# Altium PCB Main.PcbDoc (part 3 of 3)
Units mm, origin at the board's own origin, x right, y up, seen from the top; angles counter-clockwise.
Board outline 75 x 150 mm, 4 copper layers (SIG1, GND1, GND2, SIG2), stack 1.602 mm thick; 218 components, 159 nets, 788 pads, 864 vias.
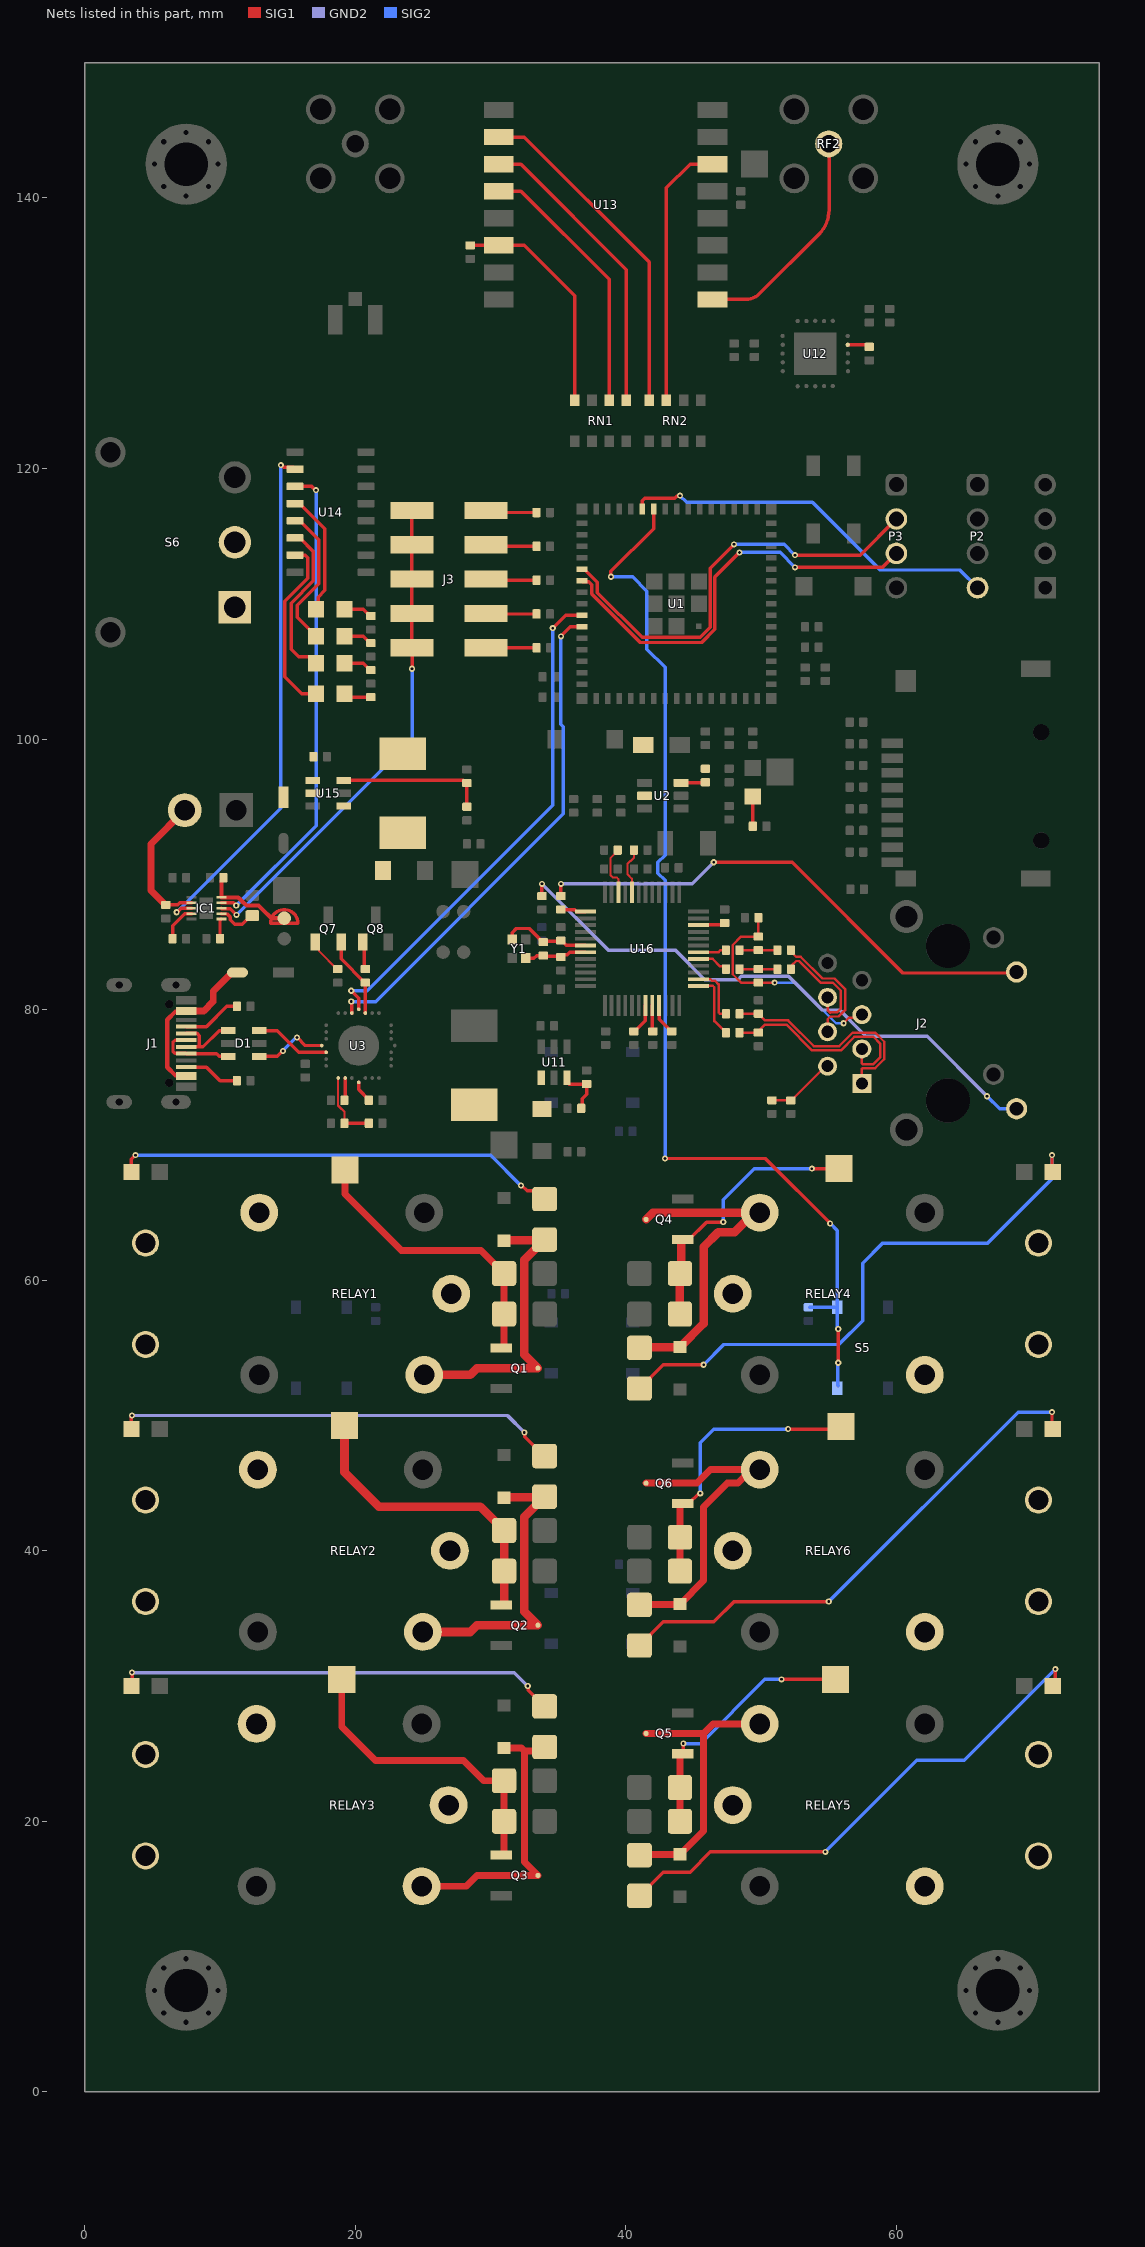
[diagram p5: the nets of this part, all layers, seen from the top]

## Via types
v1: diameter 0.6, hole 0.3, SIG1 to SIG2, 457 vias
v2: diameter 0.5, hole 0.25, SIG1 to SIG2, 260 vias
v3: diameter 0.45, hole 0.2, SIG1 to SIG2, 147 vias

## Nets (pads, with @x,y where several pads share a name; then routed paths per layer and width w, separated by ;. In a path a pad name is that pad's centre, name@x,y a point inside that pad or via, vN(x,y) a via of type N, cw(c..) or ccw(c..) an arc to the next point about the centre after c; other vN are vias at no path point) (continued)
GPIO21: R48.1 S5.C1 S5.D1 U1.25 | length 80.8
  SIG1 w0.254: v3(38.9,112) 38.9,112.4 42.05,115.55 U1.25@42.05,117 ; v3(42.9,69) 50.3,69 v3(55.1,64.2) ; v3(55.7,53.9) v3(55.7,56.4)
  SIG2 w0.254: v3(38.9,112) 40.5,112 41.556,110.944 41.556,106.644 42.9,105.3 42.9,91.43 42.371,90.901 42.371,90.099 42.9,89.57 v3(42.9,69) ; R48.1@53.6,58 S5.D1@55.625,58 ; v3(55.1,64.2) 55.625,63.675 S5.D1@55.625,58 ; S5.C1@55.7,52.2 55.662,52.238 55.662,53.862 v3(55.7,53.9) ; v3(55.7,56.4) 55.625,56.475 S5.D1@55.625,58
GPIO26: P2.4 U1.26 | length 28.4
  SIG1 w0.254: U1.26@41.2,117 41.215,117.015 41.215,117.615 41.4,117.8 43.6,117.8 43.762,117.962 43.962,117.962 v3(44,118)
  SIG2 w0.254: v3(44,118) 44.5,117.5 53.8,117.5 58.8,112.5 64.69,112.5 P2.4@66,111.19
GPIO39: P3.2 U1.35 | length 32.4
  SIG1 w0.254: U1.35@36.965,112.535 37.9,111.6 37.9,110.822 41.201,107.521 45.495,107.521 46.229,108.255 46.229,112.629 v3(48,114.4) ; v3(52.5,113.6) 57.33,113.6 P3.2@60,116.27
  SIG2 w0.254: v3(48,114.4) 51.7,114.4 v3(52.5,113.6)
GPIO40: P3.3 U1.36 | length 31.4
  SIG1 w0.254: U1.36@36.75,111.7 36.823,111.627 37.273,111.627 37.49,111.41 37.49,110.729 41.075,107.144 45.621,107.144 46.585,108.108 46.585,111.985 v3(48.4,113.8) ; v3(52.5,112.7) 58.97,112.7 P3.3@60,113.73
  SIG2 w0.254: v3(48.4,113.8) 51.4,113.8 v3(52.5,112.7)
IRQ_B: RN2.7 U13.14 | length 19.8
  SIG1 w0.254: RN2.7@43,125.05 43,140.75 44.75,142.5 U13.14@46.4,142.5
ISET: IC1.8 J3.1 J3.3 J3.5 J3.7 J3.9 | length 36.6
  SIG1 w0.254: IC1.8@10.1,87.5 10.127,87.473 10.752,87.473 11.212,87.013 v3(11.226,87.013) ; J3.1@24.19,116.91 J3.3@24.19,114.37 J3.5@24.19,111.83 J3.7@24.19,109.29 J3.9@24.19,106.75 24.2,106.74 v3(24.2,105.2)
  SIG2 w0.254: v3(11.226,87.013) 11.226,87.026 24.2,100 v3(24.2,105.2)
LINKLED: R73.2 U16.25 | length 1.9
  SIG1 w0.254: R73.2@35.2,87.4 36.23,87.4 36.38,87.25 U16.25@37.02,87.25
MISO_B: RN2.8 U13.2 | length 25.2
  SIG1 w0.254: U13.2@30.6,144.5 32.5,144.5 41.73,135.27 RN2.8@41.73,125.05
MOSI_B: RN1.5 U13.3 | length 22.3
  SIG1 w0.254: U13.3@30.6,142.5 32.25,142.5 40.04,134.71 RN1.5@40.04,125.05
NetC2_1: C2.1 L1.1 U2.2
NetC2_2: C2.2 U2.6 | length 1.8
  SIG1 w0.254: U2.6@44.084,96.763 44.109,96.788 45.859,96.788 C2.2@45.884,96.813
NetC17_1: C17.1 U12.14 | length 1.7
  SIG1 w0.254: U12.14@56.4,129.15 56.412,129.138 57.862,129.138 C17.1@58,129
NetC20_2: C20.2 IC1.10 SB1.2 | length 6.8
  SIG1 w0.305: C20.2@10.25,89.75 10.25,89.7 10.1,89.55 IC1.10@10.1,88.3 11.349,88.3 11.646,88.004 ; 11.646,88.003 11.949,87.7 12.851,87.7 13.154,87.397 ; 13.154,87.396 13.789,86.762 13.808,86.762 SB1.2@14.75,86.762
NetC21_1: C21.1 IC1.2 U10.2 | length 10.5
  SIG1 w0.254: C21.1@6,87.75 6.876,87.75 7.026,87.9 IC1.2@7.9,87.9
  SIG1 w0.508: C21.1@6,87.75 5.954,87.796 5.904,87.796 4.9,88.8 4.9,92.255 U10.2@7.395,94.75
NetC25_2: C25.2 L2.1 S6.2 U15.4 U15.5
NetC36_2: C36.2 J2.2 R64.1 | length 5.1
  SIG1 w0.179: C36.2@50.8,73.3 R64.1@52.2,73.3 ; R64.1@52.25,73.3 54.775,75.825 J2.2@54.91,75.825
NetC41_2: C41.2 U16.22 | length 3.7
  SIG1 w0.152: C41.2@39.4,91.8 39.4,91.75 38.878,91.228 38.878,89.922 39.025,89.775 39.325,89.775 39.45,89.65 U16.22@39.45,88.68
NetC42_2: C42.2 U16.20 | length 3.4
  SIG1 w0.152: U16.20@40.45,88.68 40.45,89.692 40.122,90.02 40.122,90.78 40.343,91.001 40.379,91.001 40.6,91.221 C42.2@40.6,91.7
NetC43_2: C43.2 J2.5 R70.1 R71.1 | length 17
  SIG1 w0.179: C43.2@49.8,86.8 R71.1@49.8,85.4 48.523,85.4 47.9,84.777 47.9,82.623 48.523,82 R70.1@49.8,82 v3(51,82) ; v3(56.1,79) 56.501,79.401 57.216,79.401 J2.5@57.45,79.635
  SIG2 w0.179: v3(51,82) 52.536,82 55.536,79 v3(56.1,79)
NetD2_2: D2.2 J1.A4B9 J1.B4A9 | length 12.3
  SIG1 w0.305: J1.B4A9@7.5,75.1 7.478,75.122 6.722,75.122 6.1,75.743 6.1,79.257 6.722,79.878 7.478,79.878 J1.A4B9@7.5,79.9
  SIG1 w0.508: J1.A4B9@7.5,79.9 8.8,79.9 9.5,80.6 9.5,81.358 10.816,82.673 11.223,82.673 D2.2@11.3,82.75
NetD3_1: D3.1 S6.1
NetD5_1: D5.1 U14.6 | length 11.9
  SIG1 w0.254: U14.6@15.55,114.87 15.9,114.87 16.9,113.87 16.9,111.7 15.256,110.056 15.256,106.644 15.827,106.073 16.627,106.073 D5.1@17.1,105.6
NetD5_2: D5.2 R56.2 | length 2.2
  SIG1 w0.254: D5.2@19.2,105.6 20.6,105.6 21.1,105.1 R56.2@21.15,105.1
NetD6_2: D6.2 L2.2 U15.1
NetD9_2: D9.2 L3.2 U11.1
NetDS1_2: DS1.2 R8.2 | length 2.2
  SIG1 w0.254: R8.2@49.384,93.563 DS1.2@49.384,95.763
NetDS2_2: DS2.2 R1.1 | length 33
  SIG1 w0.254: DS2.2@3.45,68 3.45,68.95 v3(3.75,69.25) ; v3(32.25,67) 32.303,67 32.699,66.604 33.396,66.604 R1.1@34,66
  SIG2 w0.254: v3(3.75,69.25) 30,69.25 v3(32.25,67)
NetDS3_2: DS3.2 R13.1 | length 32.9
  SIG1 w0.254: DS3.2@3.45,49 3.45,49.95 v3(3.5,50) ; v3(32.5,48.75) 32.538,48.712 32.538,48.442 33.98,47 R13.1@34,47
  GND2 w0.254: v3(3.5,50) 31.25,50 v3(32.5,48.75)
NetDS4_2: DS4.2 R14.1 | length 32.7
  SIG1 w0.254: DS4.2@3.45,30 3.5,30.05 v3(3.5,31) ; v3(32.75,30) 32.788,29.962 32.788,29.692 33.98,28.5 R14.1@34,28.5
  GND2 w0.254: v3(3.5,31) 31.75,31 v3(32.75,30)
NetDS5_2: DS5.2 R21.1 | length 42.4
  SIG1 w0.254: R21.1@41,52 41.02,52 42.77,53.75 v3(45.75,53.75) ; v3(71.5,69.25) 71.5,68.05 DS5.2@71.55,68
  SIG2 w0.254: v3(45.75,53.75) 47.25,55.25 55.75,55.25 57.5,57 57.5,61.25 59,62.75 66.75,62.75 71.5,67.5 v3(71.5,69.25)
NetDS6_2: DS6.2 R22.1 | length 39
  SIG1 w0.254: R22.1@41,14.5 41.02,14.5 42.77,16.25 44.75,16.25 46.25,17.75 v3(54.75,17.75) ; DS6.2@71.55,30 71.75,30.2 v3(71.75,31.25)
  SIG2 w0.254: v3(54.75,17.75) 61.519,24.519 65.019,24.519 v3(71.75,31.25)
NetDS7_2: DS7.2 R23.1 | length 38.9
  SIG1 w0.254: R23.1@41,33 41.02,33 42.77,34.75 46.5,34.75 48,36.25 v3(55,36.25) ; v3(71.5,50.25) 71.5,49.05 DS7.2@71.55,49
  SIG2 w0.254: v3(55,36.25) 69,50.25 v3(71.5,50.25)
NetDS8_1: DS8.1 R54.2 | length 2.2
  SIG1 w0.254: DS8.1@19.2,109.6 20.6,109.6 21.1,109.1 R54.2@21.15,109.1
NetDS8_2: DS8.2 U14.4 | length 9.2
  SIG1 w0.254: U14.4@15.55,117.41 15.9,117.41 17.75,115.56 17.75,111 17.25,110.5 17.25,109.75 DS8.2@17.1,109.6
NetDS9_1: DS9.1 R55.2 | length 2.2
  SIG1 w0.254: DS9.1@19.2,107.6 20.6,107.6 21.1,107.1 R55.2@21.15,107.1
NetDS9_2: DS9.2 U14.5 | length 10.7
  SIG1 w0.254: U14.5@15.55,116.14 15.9,116.14 17.3,114.74 17.3,111.5 15.7,109.9 15.7,109 DS9.2@17.1,107.6
NetDS10_1: DS10.1 U14.7 | length 13.4
  SIG1 w0.254: U14.7@15.55,113.6 16.3,113.6 16.5,113.4 16.5,111.9 14.8,110.2 14.8,104.6 16.05,103.35 DS10.1@17.1,103.35
NetDS10_2: DS10.2 R57.2 | length 2.1
  SIG1 w0.254: DS10.2@19.2,103.35 19.45,103.1 R57.2@21.15,103.1
NetIC1_4: IC1.4 R41.2 | length 2.7
  SIG1 w0.254: R41.2@6.5,85.25 6.5,86.2 7.4,87.1 IC1.4@7.9,87.1
NetIC1_6: IC1.6 R42.2 | length 1.5
  SIG1 w0.254: R42.2@10,85.25 10,86.673 10.027,86.7 IC1.6@10.1,86.7
NetIC1_7: IC1.7 R43.2 | length 3
  SIG1 w0.254: IC1.7@10.1,87.1 10.127,87.073 10.526,87.073 10.749,86.85 10.749,86.651 11.1,86.3 11.65,86.3 12.3,86.95 R43.2@12.4,86.95
NetJ1_A5: J1.A5 R3.1 | length 4.4
  SIG1 w0.254: J1.A5@7.5,78.75 9,78.75 10.5,80.25 R3.1@11.25,80.25
NetJ1_B5: J1.B5 R2.1 | length 4.2
  SIG1 w0.254: J1.B5@7.5,75.75 9,75.75 10,74.75 R2.1@11.25,74.75
NetJ2_9: J2.9 R72.1 | length 43
  SIG1 w0.254: R72.1@33.8,88.4 v3(33.8,89.3)
  GND2 w0.254: v3(33.8,89.3) 38.723,84.377 43.685,84.377 45.835,82.227 48.295,82.227 48.545,82.477 52.024,82.477 54.525,79.976 55.799,79.976 56.577,79.198 56.577,79.194 57.747,78.024 62.276,78.024 v3(66.7,73.6)
  SIG2 w0.254: v3(66.7,73.6) 67.625,72.675 68.525,72.675 J2.9@68.7,72.5
NetJ2_11: J2.11 R73.1 | length 38.6
  SIG1 w0.254: R73.1@35.2,88.5 v3(35.2,89.3) ; v3(46.5,90.9) 52.293,90.9 60.48,82.713 68.808,82.713 J2.11@68.88,82.785
  GND2 w0.254: v3(35.2,89.3) 40.938,89.3 40.947,89.291 41.342,89.291 41.351,89.3 44.9,89.3 v3(46.5,90.9)
NetJ3_2: J3.2 R49.1 | length 3.8
  SIG1 w0.254: J3.2@29.65,116.91 29.81,116.75 R49.1@33.4,116.75
NetJ3_4: J3.4 R50.1 | length 3.8
  SIG1 w0.254: J3.4@29.65,114.37 29.77,114.25 R50.1@33.4,114.25
NetJ3_6: J3.6 R51.1 | length 3.8
  SIG1 w0.254: J3.6@29.65,111.83 29.73,111.75 R51.1@33.4,111.75
NetJ3_8: J3.8 R52.1 | length 3.8
  SIG1 w0.254: J3.8@29.65,109.29 29.69,109.25 R52.1@33.4,109.25
NetJ3_10: J3.10 R53.1 | length 3.7
  SIG1 w0.254: J3.10@29.65,106.75 R53.1@33.4,106.75
NetQ1_1: Q1.1 R12.1 R15.2 TP12.1 | length 21.7
  SIG1 w0.508: TP12.1@19.228,68.148 19.228,66.372 23.4,62.2 29.3,62.2 30.334,61.166 30.354,61.166 31,60.52 R12.1@31,60.5 R15.2@31,57.5 31,55.082 30.918,55 Q1.1@30.788,55
NetQ1_2: Q1.2 R1.2 RELAY1.4 Z1.2 | length 22.2
  SIG1 w0.635: RELAY1.4@25.1,53 28.5,53 29,53.5 Q1.2@33.5,53.5 32.5,54.5 32.5,61.52 33.98,63 R1.2@34,63 33.963,62.963 31.037,62.963 Z1.2@31,62.925
NetQ2_1: Q2.1 R17.1 R19.2 TP14.1 | length 22.7
  SIG1 w0.635: TP14.1@19.201,49.251 19.201,45.799 21.75,43.25 29.25,43.25 30.398,42.103 30.418,42.103 31,41.52 R17.1@31,41.5 R19.2@31,38.5 31,36.018 30.981,36 Q2.1@30.788,36
NetQ2_2: Q2.2 R13.2 RELAY2.4 Z2.2 | length 22.3
  SIG1 w0.635: RELAY2.4@25,34 28.5,34 29,34.5 Q2.2@33.5,34.5 32.5,35.5 32.5,42.52 33.98,44 R13.2@34,44 33.963,43.963 31.037,43.963 Z2.2@31,43.925
NetQ3_1: Q3.1 R18.1 R20.2 TP15.1 | length 22.8
  SIG1 w0.508: TP15.1@19,30.5 19,27 21.5,24.5 28,24.5 29.5,23 R18.1@31,23 R20.2@31,20 31,17.582 30.918,17.5 Q3.1@30.788,17.5
NetQ3_2: Q3.2 R14.2 RELAY3.4 Z3.2 | length 21.8
  SIG1 w0.508: RELAY3.4@24.9,15.2 28.2,15.2 29,16 Q3.2@33.5,16 32.5,17 32.5,25.202 ; Z3.2@31,25.425 32.277,25.425 32.5,25.202 ; R14.2@34,25.5 33.702,25.202 32.5,25.202
NetQ4_1: Q4.1 R24.1 R27.2 TP16.1 | length 20.3
  SIG1 w0.254: Q4.1@44.212,63 44.664,63 45.964,64.3 v3(47.2,64.3) ; v3(53.75,68.25) TP16.1@55.75,68.25
  SIG1 w0.635: R24.1@44,57.5 R27.2@44,60.5 44.106,60.606 44.106,62.982 44.125,63 Q4.1@44.212,63
  SIG2 w0.254: v3(47.2,64.3) 47.2,65.95 49.5,68.25 v3(53.75,68.25)
NetQ4_2: Q4.2 R21.2 RELAY4.4 Z4.2 | length 24.6
  SIG1 w0.635: R21.2@41,55 41.037,55.037 43.963,55.037 Z4.2@44,55.075 44.025,55.075 45.75,56.8 45.75,62.467 46.826,63.543 48.034,63.543 RELAY4.4@49.49,65 ; Q4.2@41.5,64.5 42,65 RELAY4.4@49.49,65 ; RELAY4.4@49.9,65 RELAY4.4@49.49,65
NetQ5_1: Q5.1 R25.1 R28.2 TP17.1 | length 19.1
  SIG1 w0.254: Q5.1@44.212,25 44.25,25.038 v3(44.25,25.75) ; v3(51.5,30.5) TP17.1@55.5,30.5
  SIG1 w0.508: R25.1@44,20 R28.2@44,22.5 44,24.918 44.082,25 Q5.1@44.212,25
  SIG2 w0.254: v3(44.25,25.75) 45.527,25.75 50.277,30.5 v3(51.5,30.5)
NetQ5_2: Q5.2 R22.2 RELAY5.4 Z5.2 | length 21.4
  SIG1 w0.508: R22.2@41,17.5 41.037,17.538 43.963,17.538 Z5.2@44,17.575 44.025,17.575 45.75,19.3 45.75,26.5 ; Q5.2@41.5,26.5 45.75,26.5 ; RELAY5.4@49.9,27.2 46.45,27.2 45.75,26.5
NetQ6_1: Q6.1 R26.1 R29.2 TP18.1 | length 21.4
  SIG1 w0.254: Q6.1@44.212,43.5 44.664,43.5 45.376,44.212 45.462,44.212 v3(45.5,44.25) ; v3(52,49) 55.7,49 TP18.1@55.9,49.2
  SIG1 w0.508: R26.1@44,38.5 R29.2@44,41 44,43.418 44.082,43.5 Q6.1@44.212,43.5
  SIG2 w0.254: v3(45.5,44.25) 45.5,48 46.5,49 v3(52,49)
NetQ6_2: Q6.2 R23.2 RELAY6.4 Z6.2 | length 25
  SIG1 w0.508: R23.2@41,36 41.037,36.037 43.963,36.037 Z6.2@44,36.075 44.025,36.075 45.75,37.8 45.75,43.25 47.5,45 48.281,45 49.281,46 RELAY6.4@49.9,46 46.25,46 45.25,45 Q6.2@41.5,45
NetQ7_1: Q7.1 R9.1 | length 2.7
  SIG1 w0.152: Q7.1@17.05,85 17.324,84.726 17.324,84.326 18.65,83 R9.1@18.7,83
NetQ8_1: Q8.1 R31.1 | length 2.1
  SIG1 w0.254: Q8.1@20.55,85 20.65,84.9 20.65,83.1 R31.1@20.75,83
NetR4_2: R4.2 U3.9 | length 1.7
  SIG1 w0.254: R4.2@19.2,73.3 19.247,73.347 19.247,74.947 U3.9@19.25,74.95
NetR5_2: R5.2 U3.11 | length 1.6
  SIG1 w0.254: U3.11@20.25,74.625 20.25,74.1 21,73.35 R5.2@21,73.3
NetR11_1: R11.1 R30.2 U11.3 | length 3.8
  SIG1 w0.254: U11.3@35.65,74.951 35.65,74.681 35.831,74.5 R30.2@37.1,74.5 37.1,73.739 36.792,73.431 36.792,72.792 R11.1@36.7,72.7
NetR58_1: R58.1 R59.2 U15.3 | length 10.9
  SIG1 w0.254: U15.3@19.149,96.95 28,96.95 28.2,96.75 R59.2@28.25,96.75 R58.1@28.25,95
NetR66_1: R66.1 U16.43 | length 2.3
  SIG1 w0.254: R66.1@40.6,78.4 40.65,78.4 41.437,79.187 41.437,80.307 U16.43@41.45,80.32
NetR67_1: R67.1 U16.44 | length 1.9
  SIG1 w0.254: U16.44@41.95,80.32 41.963,80.307 41.963,78.437 R67.1@42,78.4
NetR68_1: R68.1 U16.45 | length 2.3
  SIG1 w0.254: U16.45@42.45,80.32 42.463,80.307 42.463,79.287 43.35,78.4 R68.1@43.4,78.4
NetR69_2: R69.2 U16.10 | length 2
  SIG1 w0.254: U16.10@45.38,86.25 45.393,86.263 47.163,86.263 R69.2@47.3,86.4
NetRELAY1_2: RELAY1.2 U4.1
NetRELAY1_5: RELAY1.5 U4.2
NetRELAY2_2: RELAY2.2 U5.1
NetRELAY2_5: RELAY2.5 U5.2
NetRELAY3_2: RELAY3.2 U6.1
NetRELAY3_5: RELAY3.5 U6.2
NetRELAY4_2: RELAY4.2 U7.1
NetRELAY4_5: RELAY4.5 U7.2
NetRELAY5_2: RELAY5.2 U8.1
NetRELAY5_5: RELAY5.5 U8.2
NetRELAY6_2: RELAY6.2 U9.1
NetRELAY6_5: RELAY6.5 U9.2
NRESET_B: R16.2 RN1.8 U13.6 | length 17
  SIG1 w0.254: R16.2@28.5,136.5 U13.6@30.6,136.5 32.5,136.5 36.23,132.77 RN1.8@36.23,125.05
RTS: Q7.2 R31.2 U3.24 | length 6
  SIG1 w0.254: Q7.2@18.95,85 18.95,83.75 20.7,82 R31.2@20.75,82 U3.24@20.75,79.75
RX2_D_N: R76.1 U16.5 | length 2.3
  SIG1 w0.179: U16.5@45.38,83.75 46.425,83.75 46.974,83.201 47.199,83.201 R76.1@47.4,83
RX2_D_P: R77.1 U16.6 | length 2.1
  SIG1 w0.179: U16.6@45.38,84.25 46.86,84.25 47.01,84.4 R77.1@47.4,84.4
RX3_D_N: C40.1 J2.6 | length 8.4
  SIG1 w0.179: C40.1@52.2,83 52.29,83.09 52.29,83.29 52.6,83.6 52.8,83.6 54.4,82 55.3,82 55.9,81.4 55.9,80.1 55.6,79.8 55.112,79.8 55.1,79.788 54.91,79.978 J2.6@54.91,80.905
RX3_D_P: C38.1 J2.4 | length 9.3
  SIG1 w0.179: C38.1@52.2,84.4 52.29,84.31 52.29,84.217 52.6,83.906 52.927,83.906 54.527,82.306 55.427,82.306 56.206,81.527 56.206,79.973 55.727,79.494 55.239,79.494 55.227,79.482 55.1,79.482 54.91,79.292 J2.4@54.91,78.365
RX_D_N: C40.2 R70.2 R76.2 | length 2.8
  SIG1 w0.179: R76.2@48.4,83 48.79,83 R70.2@49.8,83 50.81,83 C40.2@51.2,83
RX_D_P: C38.2 R71.2 R77.2 | length 2.8
  SIG1 w0.179: R77.2@48.4,84.4 48.79,84.4 R71.2@49.8,84.4 50.81,84.4 C38.2@51.2,84.4
RXD: U1.40 U3.26 | length 37.3
  SIG1 w0.254: v3(19.7,80.6) 19.75,80.55 U3.26@19.75,79.75 ; v3(35.2,107.6) 35.9,108.3 U1.40@36.75,108.3
  SIG2 w0.254: v3(19.7,80.6) 21.5,80.6 35.388,94.488 35.388,100.923 35.2,101.111 v3(35.2,107.6)
SCLK_B: RN1.6 U13.4 | length 19.8
  SIG1 w0.254: U13.4@30.6,140.5 32.25,140.5 38.77,133.98 RN1.6@38.77,125.05
STAT1: IC1.9 U14.3 | length 36
  SIG1 w0.254: IC1.9@10.1,87.9 11,87.9 v3(11.2,87.7) ; U14.3@15.55,118.68 16.767,118.68 17.047,118.4 v3(17.1,118.4)
  SIG2 w0.254: v3(11.2,87.7) 17.1,93.6 v3(17.1,118.4)
STAT2: IC1.3 U14.2 | length 38.6
  SIG1 w0.254: v3(6.8,87.2) 6.844,87.2 7.144,87.5 IC1.3@7.9,87.5 ; v3(14.5,120.25) 14.553,120.25 14.705,120.098 15.402,120.098 U14.2@15.55,119.95
  SIG2 w0.254: v3(6.8,87.2) 14.5,94.9 v3(14.5,120.25)
TX2_D_N: R74.1 U16.1 | length 4.9
  SIG1 w0.179: U16.1@45.38,81.75 45.403,81.773 46.421,81.773 46.55,81.643 46.55,79.15 R74.1@47.4,78.3
TX2_D_P: R75.1 U16.2 | length 4.3
  SIG1 w0.179: U16.2@45.38,82.25 46.25,82.25 46.346,82.153 46.572,82.153 46.856,81.869 46.856,79.8 46.956,79.7 R75.1@47.4,79.7
TX_D_N: J2.3 R62.1 R74.2 | length 15.8
  SIG1 w0.179: R74.2@48.4,78.3 48.79,78.3 R62.1@49.8,78.3 49.89,78.39 49.89,78.49 50.3,78.9 51.867,78.9 53.773,76.994 55.894,76.994 56.9,78 58.3,78 58.8,77.5 58.8,76.478 58.3,75.978 57.5,75.978 57.45,76.028 J2.3@57.45,77.095
TX_D_P: J2.1 R63.1 R75.2 | length 16.7
  SIG1 w0.179: R75.2@48.4,79.7 49.36,79.7 R63.1@49.8,79.7 50.294,79.206 51.994,79.206 53.9,77.3 55.767,77.3 56.773,78.306 58.427,78.306 59.106,77.627 59.106,76.351 58.427,75.672 57.5,75.672 57.45,75.622 J2.1@57.45,74.555
TXD: U1.39 U3.25 | length 37.8
  SIG1 w0.254: v3(19.7,81.4) 20.25,80.85 U3.25@20.25,80.025 ; v3(34.6,108.2) 35.55,109.15 U1.39@36.75,109.15
  SIG2 w0.254: v3(19.7,81.4) 20.877,81.4 34.6,95.123 v3(34.6,108.2)
USB2_D_N: D1.6 U3.5 | length 5.6
  SIG1 w0.244: D1.6@12.899,78.45 14.225,78.45 15.825,76.85 U3.5@17.85,76.85
USB2_D_P: D1.4 U3.4 | length 5.5
  SIG1 w0.244: D1.4@12.899,76.55 14.25,76.55 v3(14.65,76.95) ; v3(15.7,77.95) 16.3,77.35 U3.4@17.525,77.35
  SIG2 w0.244: v3(14.65,76.95) 15.65,77.95 v3(15.7,77.95)
USB_D_N: D1.1 J1.A7 J1.B7 | length 6.4
  SIG1 w0.244: J1.B7@7.5,78.25 8.307,78.25 8.474,78.084 8.474,77.393 8.359,77.278 7.528,77.278 J1.A7@7.5,77.25 8.743,77.25 9.943,78.45 D1.1@10.601,78.45
USB_D_P: D1.3 J1.A6 J1.B6 | length 5.9
  SIG1 w0.244: J1.A6@7.5,77.75 6.675,77.75 6.525,77.6 6.525,76.925 6.672,76.778 7.472,76.778 J1.B6@7.5,76.75 9.743,76.75 9.943,76.55 D1.3@10.601,76.55
V_RF: RF2.5 U13.9 | length 16.7
  SIG1 w0.254: U13.9@46.4,132.5 48.849,132.5 ccw(c48.849,133.951) 49.875,132.925 54.281,137.331 ccw(c52.485,139.127) 55.025,139.127 55.025,143.939 ccw(c54.939,143.939) RF2.5@55,144
VBUS: R10.1 R32.2 U3.8 | length 5.4
  SIG1 w0.152: U3.8@18.75,74.95 18.728,74.928 18.728,74.844 18.722,74.839 18.722,72.92 18.87,72.772 19.2,72.442 R10.1@19.2,71.6
  SIG1 w0.254: R10.1@19.2,71.6 R32.2@21,71.6
XI: C37.2 R65.2 U16.30 Y1.3 | length 6.6
  SIG1 w0.254: Y1.3@31.6,85.175 31.6,85.7 31.9,86 32.85,86 33.85,85 R65.2@33.9,85 33.95,85.05 35.15,85.05 C37.2@35.2,85.1 ; C37.2@35.25,85.1 35.6,84.75 U16.30@37.02,84.75
XO: C39.2 R65.1 U16.31 Y1.1 | length 4.7
  SIG1 w0.254: Y1.1@32.6,83.825 32.625,83.8 33.2,83.8 33.4,84 R65.1@33.9,84 33.95,83.95 35.15,83.95 C39.2@35.2,83.9 35.373,84.073 35.673,84.073 35.85,84.25 U16.31@37.02,84.25
pads on no net: CARD1. CARD1.CD J1.A8 J1.B8 J1.MH J2. J2.7 LED1.2 MH1.2 MH2.2 MH3.2 MH4.2 RELAY1.3 RELAY2.3 RELAY3.3 RELAY4.3 RELAY5.3 RELAY6.3 S6.3 S6.MH1 S6.MH2 U3.1 U3.2 U3.10 U3.12 U3.13 U3.14 U3.15 U3.16 U3.17 U3.18 U3.19 U3.20 U3.21 U3.22 U3.23 U3.27 U11.6 U12.2 U12.4 U12.5 U12.6 U12.9 U12.10 U13.7 U13.11 U13.12 U13.15 U13.16 U14.9 U14.10 U14.11 U14.12 U14.13 U14.14 U14.15 U15.6 U16.7 U16.12 U16.13 U16.18 U16.23 U16.24 U16.26 U16.38 U16.39 U16.40 U16.41 U16.42 U16.46 U16.47 Y1.2 Y1.4

## Polygon pours and split planes (outlines as drawn)
GND on GND1 "NONET_L04_P-001" (solid, pour order 0): 0,150 75,150 75,0 0,0
GND on SIG1 "NONET_L04_P-001" (solid, pour order 30): 0,150 0,0 75,0 75,150
NetC2_1 on SIG1 "NONET_L04_P-001" (solid, pour order 28): 40.7,96 40.9,96.2 42,96.2 42.1,96.3 42.1,98.5 41.7,98.9 40.5,98.9 40.4,99 40.4,100.2 40.5,100.3 42.1,100.3 42.5,99.9 42.5,99 43.3,98.2 46.2,98.2 46.3,98.1 46.3,97.6 46.2,97.5 43.3,97.5 42.9,97.1 42.9,96.2 42.2,95.5 40.8,95.5 40.7,95.6
NetRELAY4_5 on SIG1 "NONET_L04_P-001" (solid, pour order 27): 74.75,59.75 74.75,66.25 74.25,66.75 64.75,66.75 64.25,66.25 64.25,64 63.25,63 47.25,63 46.25,62 46.25,57.75 47,57 55,57 55.5,57.5 55.5,58.5 56.625,59.25 74.25,59.25
NetRELAY6_5 on SIG1 "NONET_L04_P-001" (solid, pour order 26): 74.75,40.75 74.75,47.25 74.25,47.75 64.75,47.75 64.25,47.25 64.25,45 63.25,44 47.25,44 46.25,43 46.25,38.75 47,38 55,38 55.5,38.5 55.5,39.5 56.625,40.25 74.25,40.25
NetRELAY5_5 on SIG1 "NONET_L04_P-001" (solid, pour order 24): 74.75,22 74.75,28.5 74.25,29 64.75,29 64.25,28.5 64.25,26.25 63.25,25.25 47.25,25.25 46.25,24.25 46.25,20 47,19.25 55,19.25 55.5,19.75 55.5,20.75 56.625,21.5 74.25,21.5
NetRELAY4_2 on SIG1 "NONET_L04_P-001" (solid, pour order 23): 57.25,58.5 74.25,58.5 74.75,58 74.75,51.5 74.25,51 57.25,51 56.75,51.5 56.75,58
NetRELAY6_2 on SIG1 "NONET_L04_P-001" (solid, pour order 22): 57.25,39.5 74.25,39.5 74.75,39 74.75,32.5 74.25,32 57.25,32 56.75,32.5 56.75,39
NetRELAY5_2 on SIG1 "NONET_L04_P-001" (solid, pour order 21): 57.25,20.75 74.25,20.75 74.75,20.25 74.75,13.75 74.25,13.25 57.25,13.25 56.75,13.75 56.75,20.25
NetRELAY3_5 on SIG1 "NONET_L04_P-001" (solid, pour order 20): 0.25,20.5 0.25,14 0.75,13.5 10.25,13.5 10.75,14 10.75,16.25 11.75,17.25 27.75,17.25 28.75,18.25 28.75,22.5 28,23.25 20,23.25 19.5,22.75 19.5,21.75 18.375,21 0.75,21
NetRELAY2_5 on SIG1 "NONET_L04_P-001" (solid, pour order 19): 0.25,39.25 0.25,32.75 0.75,32.25 10.25,32.25 10.75,32.75 10.75,35 11.75,36 27.75,36 28.75,37 28.75,41.25 28,42 20,42 19.5,41.5 19.5,40.5 18.375,39.75 0.75,39.75
NetRELAY3_2 on SIG1 "NONET_L04_P-001" (solid, pour order 18): 0.75,29 17.75,29 18.25,28.5 18.25,22 17.75,21.5 0.75,21.5 0.25,22 0.25,28.5
NetRELAY2_2 on SIG1 "NONET_L04_P-001" (solid, pour order 17): 0.75,47.75 17.75,47.75 18.25,47.25 18.25,40.75 17.75,40.25 0.75,40.25 0.25,40.75 0.25,47.25
NetRELAY1_5 on SIG1 "NONET_L04_P-001" (solid, pour order 14): 0.25,58.25 0.25,51.75 0.75,51.25 10.25,51.25 10.75,51.75 10.75,54 11.75,55 27.75,55 28.75,56 28.75,60.25 28,61 20,61 19.5,60.5 19.5,59.5 18.375,58.75 0.75,58.75
NetRELAY1_2 on SIG1 "NONET_L04_P-001" (solid, pour order 13): 0.75,66.75 17.75,66.75 18.25,66.25 18.25,59.75 17.75,59.25 0.75,59.25 0.25,59.75 0.25,66.25
GND on SIG1 "NONET_L04_P-001" (solid, pour order 12): 14,148.5 14,124 61,124 61,148.5
NetD9_2 on SIG1 "NONET_L04_P-001" (solid, pour order 9): 33.4,75.5 33.5,75.6 34,75.6 34.1,75.5 34.1,73.5 34.3,73.3 34.3,73.1 33.2,73.1 33.2,73.3 33.4,73.5
NetD9_2 on SIG1 "NONET_L04_P-001" (solid, pour order 8): 26.9,74.1 27.2,74.4 30.5,74.4 31.5,73.4 34.4,73.4 34.6,73.2 34.6,72 34.5,71.9 30.8,71.9 30.5,71.6 27.1,71.6 27.1,71.7 26.9,71.9
NetC25_2 on SIG1 "NONET_L04_P-001" (solid, pour order 7): 16.2,95.8 16.3,95.7 17.4,95.7 17.5,95.8 17.5,97.9 17.3,98.1 17.3,99.3 17.5,99.5 17.5,99.9 16.2,99.9 16.2,99.5 16.4,99.3 16.4,98.1 16.2,97.9 16.2,97.4
NetC25_2 on SIG1 "NONET_L04_P-001" (solid, pour order 6): 9.5,115.5 10,116 12.1,116 14.5,113.6 14.5,102.552 15.257,101.7 23.9,101.7 25.5,100.1 25.5,97.5 25.3,97.3 21.7,97.3 19.6,99.4 13.7,99.4 12.9,100.2 12.9,111.8 11.9,112.8 9.8,112.8 9.5,113.1
NetD3_1 on SIG1 "NONET_L04_P-001" (solid, pour order 5): 9.7,111 9.9,111.2 12.2,111.2 12.4,111 12.4,99.3 15.1,96.6 15.3,96.4 15.3,94.9 15.2,94.8 13.4,94.8 13.1,95.1 13.1,96 13,96 12.7,96.3 10.7,96.3 9.7,97.3
NetD6_2 on SIG1 "NONET_L04_P-001" (solid, pour order 4): 18.7,95.4 18.5,95.2 18.5,94.8 18.7,94.6 20.3,94.6 21.6,93.3 21.6,91.6 21.1,91.1 21.1,89.5 21.4,89.2 22.7,89.2 23.1,89.6 23.1,90.5 24,91.4 24.1,91.3 25.2,91.3 25.6,91.7 25.6,94.3 24.5,95.4 22.4,95.4
GND on GND2 "NONET_L04_P-001" (solid, pour order 31): -0.204,149.796 -0.204,-0.204 74.796,-0.204 74.796,149.796
GND on SIG2 "NONET_L04_P-001" (solid, pour order 32): 0,150 0,0 75,0 75,150

## Keep-outs
SIG1:
  region: 27.208,85.51 27.208,88.35 27.108,88.35 27.108,85.51
  region: 27.225,83.054 27.225,85.4 27.125,85.4 27.125,83.054
  rectangle: 13.6,85.9 15.9,86.1

## Other copper
SIG1:
  drawing of 62 lines, arcs and shapes, not listed
SIG2:
  region: 1046 vertices and 8 holes, not listed, extent 45.714,2.281 56.239,10.64
  region: 22.123,6.679 22.123,6.713 22.127,6.713 22.127,6.718 22.132,6.718 22.132,6.726 22.136,6.726 22.136,6.73 22.145,6.73 22.145,6.735 22.153,6.735 22.153,6.739 22.179,6.739 22.179,6.735 22.192,6.735 22.192,6.73 22.196,6.73 22.196,6.726 22.2,6.726 22.2,6.722 22.204,6.722 22.204,6.718 22.209,6.718 22.209,6.705 22.213,6.705 22.213,6.683 22.209,6.683 22.209,6.671 22.204,6.671 22.204,6.666 22.2,6.666 22.2,6.662 22.196,6.662 22.196,6.658 22.192,6.658 22.192,6.653 22.183,6.653 22.183,6.649 22.149,6.649 22.149,6.653 22.14,6.653 22.14,6.658 22.136,6.658 22.136,6.662 22.132,6.662 22.132,6.666 22.127,6.666 22.127,6.675 22.123,6.675
  region: 19.688,6.709 19.684,6.709 19.684,6.705 19.68,6.705 19.68,6.7 19.65,6.7 19.65,6.705 19.646,6.705 19.646,6.709 19.641,6.709 19.641,6.713 19.637,6.713 19.637,6.718 19.633,6.718 19.633,6.747 19.637,6.747 19.637,6.756 19.641,6.756 19.641,6.76 19.65,6.76 19.65,6.765 19.663,6.765 19.663,6.769 19.667,6.769 19.667,6.765 19.68,6.765 19.68,6.76 19.688,6.76 19.688,6.756 19.693,6.756 19.693,6.747 19.697,6.747 19.697,6.718 19.693,6.718 19.693,6.713 19.688,6.713
  region: 19871 vertices and 23 holes, not listed, extent 19.799,1.826 32.772,9.02
  region: 29.048,-6.819 29.056,-6.819 29.056,-6.823 29.064,-6.823 29.064,-6.827 29.072,-6.827 29.072,-6.831 29.076,-6.831 29.076,-6.839 29.08,-6.839 29.08,-6.843 29.084,-6.843 29.084,-6.878 29.08,-6.878 29.08,-6.886 29.076,-6.886 29.076,-6.89 29.072,-6.89 29.072,-6.894 29.068,-6.894 29.068,-6.897 29.06,-6.897 29.06,-6.901 29.029,-6.901 29.029,-6.897 29.021,-6.897 29.021,-6.894 29.017,-6.894 29.017,-6.89 29.013,-6.89 29.013,-6.886 29.009,-6.886 29.009,-6.882 29.005,-6.882 29.005,-6.87 29.002,-6.87 29.002,-6.851 29.005,-6.851 29.005,-6.839 29.009,-6.839 29.009,-6.835 29.013,-6.835 29.013,-6.831 29.017,-6.831 29.017,-6.827 29.021,-6.827 29.021,-6.823 29.033,-6.823 29.033,-6.819 29.045,-6.819
  region: 31.352,-6.847 31.352,-6.851 31.349,-6.851 31.349,-6.854 31.321,-6.854 31.321,-6.851 31.317,-6.851 31.317,-6.847 31.313,-6.847 31.313,-6.843 31.309,-6.843 31.309,-6.839 31.306,-6.839 31.306,-6.811 31.309,-6.811 31.309,-6.804 31.313,-6.804 31.313,-6.8 31.321,-6.8 31.321,-6.796 31.333,-6.796 31.333,-6.792 31.337,-6.792 31.337,-6.796 31.349,-6.796 31.349,-6.8 31.356,-6.8 31.356,-6.804 31.36,-6.804 31.36,-6.811 31.364,-6.811 31.364,-6.839 31.36,-6.839 31.36,-6.843 31.356,-6.843 31.356,-6.847

## Silkscreen, mask and mechanical layers (free items; w line width, h text height)
Top Overlay:
  text "3V3RF" at 47.911,143.75 h1.52
  text "GND" at 61.75,118.514 h1.52
  text "IO9" at 67.75,118.514 h1.52
  text "IO39" at 61.75,116.014 h1.52
  text "IO8" at 67.75,116.014 h1.52
  text "IO49" at 61.75,113.514 h1.52
  text "IO16" at 67.75,113.514 h1.52
  text "BOOT" at 54,113.014 h1.52
  text "3V3" at 61.75,110.764 h1.52
  text "IO26" at 67.75,110.764 h1.52
  text "1S / ONLY" at 5.4,98.3 h3.05
  text "RESET" at 35.5,97.264 h1.52
  text "3V3" at 52.652,97.2 h1.52
  text "VBAT" at 17,87.406 h1.52 r90
  text "BAT / OUT" at 31,86.191 h1.52 r90
  text "BAT / IN" at 13.3,84.111 h1.52 r90
  text "VUSB" at 30,82.908 h1.52 r90
  text "12V" at 27.852,69.6 h1.52
  text "RELAY6" at 57.6,67.328 h3.05
  text "RELAY2" at 9.8,48.306 h3.05
  text "RELAY5" at 57.6,48.328 h3.05
  text "RELAY3" at 9.7,29.528 h3.05
  text "RELAY4" at 57.6,29.506 h3.05
Mechanical 1:
  text "FR4 dielectric: 4.6 / Effective dielectric of a microstrip line: (4.6+1)/2 = 2.8 / Signal frequency: 915MHz / Effective wavelength: 3*10^8/(sqrt(2.8)*915*10^6) = 0.196 / Via fencing distance (Max): 0.196/20 = 0.0098m = 9.8mm ~ 10mm" at 90,144 h3.05

## Text inside footprints (layer, text, board x,y; h text height)
U13: Top Overlay "1" at 28.467,145.85 h1.2